# Altium PCB foxbms2-master.PcbDoc (part 3 of 11)
Units mil, origin at the board's own origin, x right, y up, seen from the top; angles counter-clockwise.
Board outline 7874.02 x 4724.41 mil, 8 copper layers (Top, Int1 (Sig), Int2 (Gnd), Int3 (Sig), Int4 (Sig), Int5 (Pwr), Int6 (Sig), Bottom), stack 64.41 mil thick; 912 components, 680 nets, 3159 pads, 2871 vias.
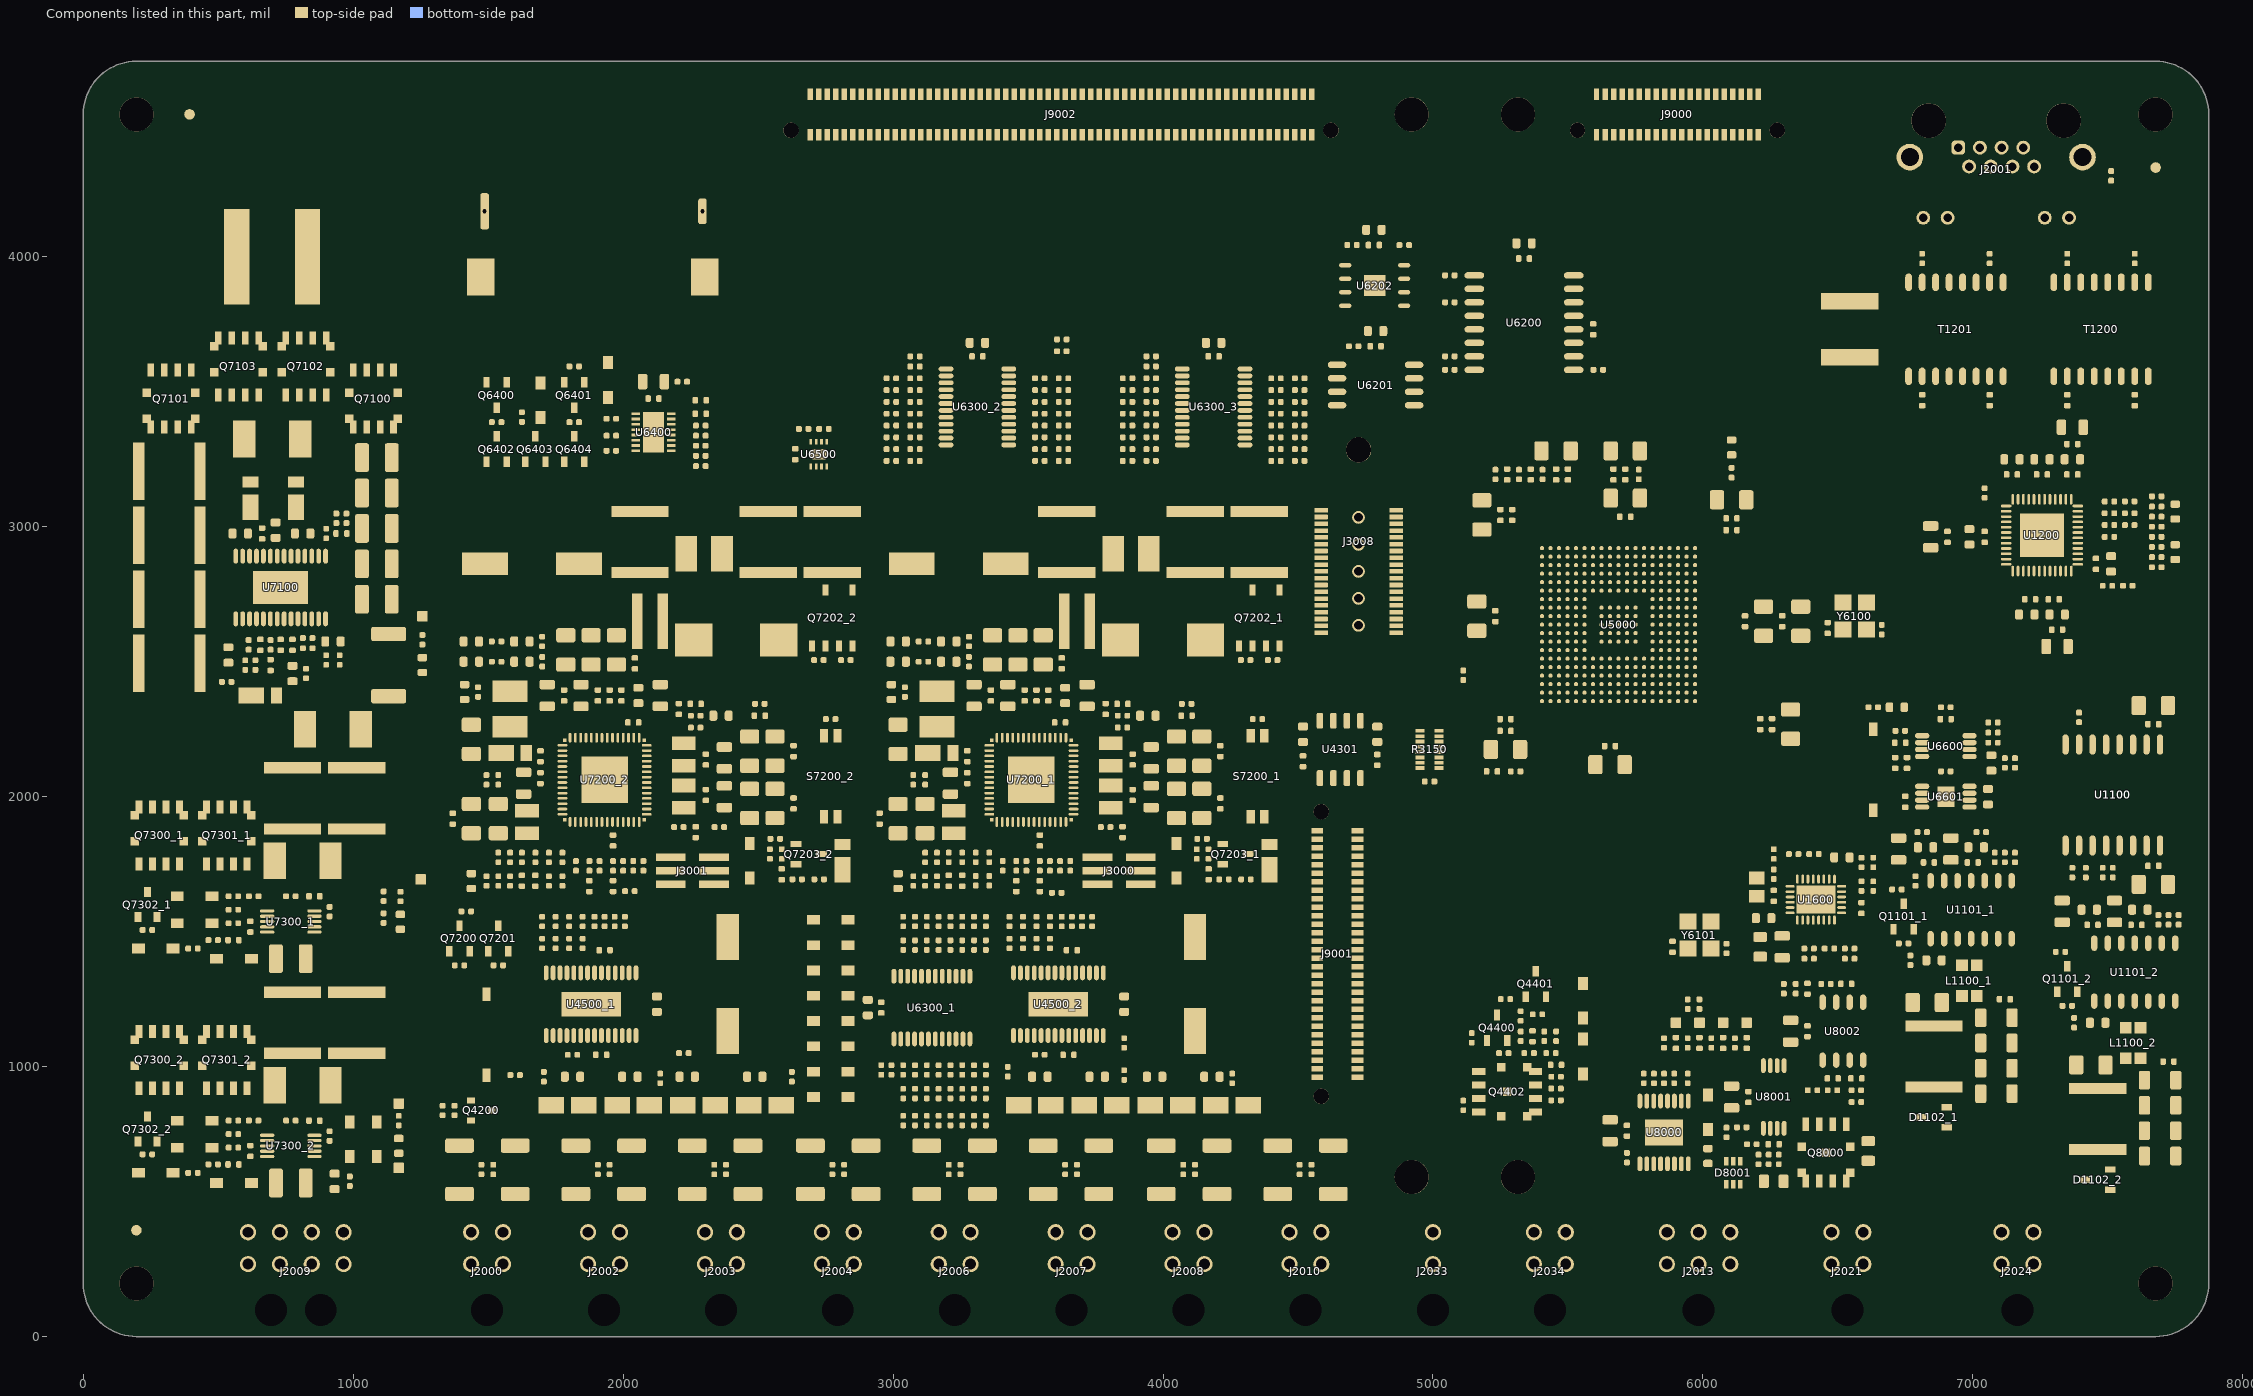
[diagram p9: the components of this part, seen from the top]

## Components (designator, comment, footprint, x,y, rotation, side; value= is the part's Value field where it differs from the comment) (continued)
R8012 "2k49" RESC1005X04N 5818.75,956.25 r90 top
R8013 "3k9" RESC1005X04N 6181.25,712.5 r0 top
R8014 "10R" RESC1005X04N 6243.75,656.25 r270 top locked
R8015 "10k" RESC1005X04N 6118.75,1087.5 r270 top locked
R8016 "2R" RESC2012X05N 6262.5,575 r0 top locked
R8017 "10R" RESC1005X04N 6281.25,656.25 r270 top
R8018 "1k" RESC1005X04N 6406.25,912.5 r180 top
R8019 "22k1" RESC1005X04N 6568.75,868.75 r180 top locked
R8020 "10k" RESC1005X04N 6456.25,1306.25 r0 top locked
R8021 "240k" RESC1005X04N 6480.22,912.5 r180 top
R8022 "2k49" RESC1005X04N 6568.75,912.5 r180 top
R8023 "10R" RESC2012X05N 6612.5,687.5 r270 top
R8024 "10k" RESC1005X04N 6300,1288.53 r90 top locked
R8025 "330R" RESC1005X04N 6343.75,1288.53 r90 top
R8026 "0R" RESC1005X04N 5987.5,1231.25 r270 top
R8027 "0R" RESC1005X04N 5943.75,1231.25 r270 top
S4500 "WS-DISV" WE_416131160801 1493.75,1118.75 r0 top
S6600 "WS-DISV" WE_416131160801 6631.25,2100 r0 top locked
S7200_1 "WS-DISV" WE_416131160802 4350,2075 r0 top locked (schematic designator S7200)
S7200_2 "WS-DISV" WE_416131160802 2768.75,2075 r0 top locked (schematic designator S7200)
T1200 "SM91074ALE" SM91074ALE 7475,3731.25 r90 top
T1201 "SM91074ALE" SM91074ALE 6937.5,3731.25 r90 top
TP8000 "Testpoint_Square" Testpoint_S1 5987.5,1162.5 r90 top
TP8001 "Testpoint_Square" Testpoint_S1 5900,1162.5 r90 top
TP8002 "Testpoint_Square" Testpoint_S1 6075,1162.5 r90 top
TP8003 "Testpoint_Square" Testpoint_S1 6162.5,1162.5 r90 top
TP_GND "Testpoint_Square" Testpoint_S1 1168.75,625 r90 top
TP_VBB_12V "Testpoint_Square" Testpoint_S1 1256.25,2668.75 r180 top
TP_VSUP_30 "Testpoint_Square" Testpoint_S1 1168.75,862.5 r180 top
TP_VSUP_30C "Testpoint_Square" Testpoint_S1 1250,1693.75 r180 top
U1100 "ADUM6401CRIZ" ADI_RI-16-2 7518.75,2006.25 r270 top
U1100 "ISOW7841AQDWEQ1" TI_DWE0016A 7518.75,2006.25 r270 top
U1101_1 "TCAN1043HDQ1" TI_D0014A-C01_SOIC-14 6993.75,1581.25 r270 top (schematic designator U1101)
U1101_2 "TCAN1043HDQ1" TI_D0014A-C01_SOIC-14 7600,1350 r270 top (schematic designator U1101)
U1200 "DP83869HMRGZT" DP83869HM-RGZ 7256.25,2968.75 r270 top
U1600 "LTC2870HUFD" LTC2870-UFD 6418.75,1618.75 r270 top locked
U4301 "ADR4550BRZ" SOIC127P600X175-8N 4656.25,2175 r270 top
U4500_1 "MC33XS2410EL" MC33XS2410EL 1881.25,1231.25 r90 top (schematic designator U4500)
U4500_2 "MC33XS2410EL" MC33XS2410EL 3612.5,1231.25 r90 top (schematic designator U4500)
U5000 "TMS5704357BZWTQQ1" BGA337C80P19X19_1600X1600X140 5687.5,2637.5 r180 top
U6200 "S25FL512SDSMFM010" S25FL512S-SO3016 5337.5,3756.25 r0 top
U6201 "CY15B102QN-50SXE" CY15B102QN-50SXE 4787.5,3525 r0 top
U6202 "MR25H40BMDF" MR25H40 4784.25,3893.75 r270 top
U6300_1 "PCA9539PW" PCA9539PW 3143.75,1218.75 r90 top (schematic designator U6300)
U6300_2 "PCA9539PW" PCA9539PW 3312.5,3443.75 r0 top (schematic designator U6300)
U6300_3 "PCA9539PW" PCA9539PW 4187.5,3443.75 r0 top (schematic designator U6300)
U6400 "PCF2131TF" NXP_SOT1992-1 2112.5,3350 r0 top
U6500 "SHT35-DIS-F" SHT3X 2725,3268.75 r270 top
U6600 "MAX16998DAUA/V+" MAX16998-uSOP8 6900,2187.5 r0 top
U6601 "TPS7A1650AQDGNRQ1" TPS7A16A-Q1 6900,2000 r180 top locked
U7100 "LM5176QPWPRQ1" LM5176-PWP 731.25,2775 r90 top
U7200_1 "MC33FS8530A0ES" MC33FS8530A0ES 3512.5,2062.5 r0 top (schematic designator U7200)
U7200_2 "MC33FS8530A0ES" MC33FS8530A0ES 1931.25,2062.5 r0 top (schematic designator U7200)
U7300_1 "LTC4380HMS-4#PBF" LTC4380-MSOP10 768.75,1537.5 r180 top (schematic designator U7300)
U7300_2 "LTC4380HMS-4#PBF" LTC4380-MSOP10 768.75,706.25 r180 top (schematic designator U7300)
U8000 "TPS2H000BQPWPRQ1" TI_PWP0016J 5856.25,756.25 r270 top
U8001 "INA240A1QPWRQ1" TI_PW0008A 6262.5,887.5 r90 top
U8002 "LM2903QDRQ1" TI_D0008A 6518.75,1131.25 r90 top
Y6100 "SiT8924BAT31-33N-20.000000" SiT8924xx-3x 6562.5,2668.75 r90 top locked
Y6101 "SiT8924BAT31-33N-25.000000" SiT8924xx-3x 5987.5,1487.5 r90 top locked

## Footprints (in the part's own frame and the unit in brackets; to place one, negate y for a bottom-side part, rotate by r counter-clockwise, add the part's x,y. Pads: shape width x height; smd on the part's side, far side on the other; paste and mask are expansions set on the pad)
ADI_RI-16-2 [mm] "SOIC, 16-Leads, Body 12,80x7,50mm, Pitch 1,27mm, IPC Medium Density"
  oval 1.9x0.6 smd: 1(-4.75,4.445) 2(-4.75,3.175) 3(-4.75,1.905) 4(-4.75,0.635) 5(-4.75,-0.635) 6(-4.75,-1.905) 7(-4.75,-3.175) 8(-4.75,-4.445) 9(4.75,-4.445) 10(4.75,-3.175) 11(4.75,-1.905) 12(4.75,-0.635) 13(4.75,0.635) 14(4.75,1.905) 15(4.75,3.175) 16(4.75,4.445)
  silkscreen extent -4.87,-6.5 3.4,5.42, body extent -5.16,-6.5 5.16,6.5, height 2.65
ASPIAIG-S4035 [mm] "Precision Wire Wound Inductor, 2-Leads, Body 4,00x4,00mm, IPC Medium Density"
  rect 2.05x3.3 smd: 1(-1.675,0) 2(1.675,0)
  silkscreen extent -2.1,-2.1 2.1,2.1, body extent -2.1,-2 2.1,2, height 3.8
BGA337C80P19X19_1600X1600X140 [mm] "BGA, 337-Leads, Body 16,00x16,00mmx1,40mm, Pitch 0,80mm"
  round 0.4 smd paste+0 mask+0.05: A1(-7.2,7.2) A2(-6.4,7.2) A3(-5.6,7.2) A4(-4.8,7.2) A5(-4,7.2) A6(-3.2,7.2) A7(-2.4,7.2) A8(-1.6,7.2) A9(-0.8,7.2) A10(0,7.2) A11(0.8,7.2) A12(1.6,7.2) A13(2.4,7.2) A14(3.2,7.2) A15(4,7.2) A16(4.8,7.2) A17(5.6,7.2) A18(6.4,7.2) A19(7.2,7.2) B1(-7.2,6.4) B2(-6.4,6.4) B3(-5.6,6.4) B4(-4.8,6.4) B5(-4,6.4) B6(-3.2,6.4) B7(-2.4,6.4) B8(-1.6,6.4) B9(-0.8,6.4) B10(0,6.4) B11(0.8,6.4) B12(1.6,6.4) B13(2.4,6.4) B14(3.2,6.4) B15(4,6.4) B16(4.8,6.4) B17(5.6,6.4) B18(6.4,6.4) B19(7.2,6.4) C1(-7.2,5.6) C2(-6.4,5.6) C3(-5.6,5.6) C4(-4.8,5.6) C5(-4,5.6) C6(-3.2,5.6) C7(-2.4,5.6) C8(-1.6,5.6) C9(-0.8,5.6) C10(0,5.6) C11(0.8,5.6) C12(1.6,5.6) C13(2.4,5.6) C14(3.2,5.6) C15(4,5.6) C16(4.8,5.6) C17(5.6,5.6) C18(6.4,5.6) C19(7.2,5.6) D1(-7.2,4.8) D2(-6.4,4.8) D3(-5.6,4.8) D4(-4.8,4.8) D5(-4,4.8) D6(-3.2,4.8) D7(-2.4,4.8) D8(-1.6,4.8) D9(-0.8,4.8) D10(0,4.8) D11(0.8,4.8) D12(1.6,4.8) D13(2.4,4.8) D14(3.2,4.8) D15(4,4.8) D16(4.8,4.8) D17(5.6,4.8) D18(6.4,4.8) D19(7.2,4.8) E1(-7.2,4) E2(-6.4,4) E3(-5.6,4) E4(-4.8,4) E5(-4,4) E6(-3.2,4) E7(-2.4,4) E8(-1.6,4) E9(-0.8,4) E10(0,4) E11(0.8,4) E12(1.6,4) E13(2.4,4) E14(3.2,4) E15(4,4) E16(4.8,4) E17(5.6,4) E18(6.4,4) E19(7.2,4) F1(-7.2,3.2) F2(-6.4,3.2) F3(-5.6,3.2) F4(-4.8,3.2) F5(-4,3.2) F6(-3.2,3.2) F7(-2.4,3.2) F8(-1.6,3.2) F9(-0.8,3.2) F10(0,3.2) F11(0.8,3.2) F12(1.6,3.2) F13(2.4,3.2) F14(3.2,3.2) F15(4,3.2) F16(4.8,3.2) F17(5.6,3.2) F18(6.4,3.2) F19(7.2,3.2) G1(-7.2,2.4) G2(-6.4,2.4) G3(-5.6,2.4) G4(-4.8,2.4) G5(-4,2.4) G6(-3.2,2.4) G14(3.2,2.4) G15(4,2.4) G16(4.8,2.4) G17(5.6,2.4) G18(6.4,2.4) G19(7.2,2.4) H1(-7.2,1.6) H2(-6.4,1.6) H3(-5.6,1.6) H4(-4.8,1.6) H5(-4,1.6) H6(-3.2,1.6) H8(-1.6,1.6) H9(-0.8,1.6) H10(0,1.6) H11(0.8,1.6) H12(1.6,1.6) H14(3.2,1.6) H15(4,1.6) H16(4.8,1.6) H17(5.6,1.6) H18(6.4,1.6) H19(7.2,1.6) J1(-7.2,0.8) J2(-6.4,0.8) J3(-5.6,0.8) J4(-4.8,0.8) J5(-4,0.8) J6(-3.2,0.8) J8(-1.6,0.8) J9(-0.8,0.8) J10(0,0.8) J11(0.8,0.8) J12(1.6,0.8) J14(3.2,0.8) J15(4,0.8) J16(4.8,0.8) J17(5.6,0.8) J18(6.4,0.8) J19(7.2,0.8) K1(-7.2,0) K2(-6.4,0) K3(-5.6,0) K4(-4.8,0) K5(-4,0) K6(-3.2,0) K8(-1.6,0) K9(-0.8,0) K10(0,0) K11(0.8,0) K12(1.6,0) K14(3.2,0) K15(4,0) K16(4.8,0) K17(5.6,0) K18(6.4,0) K19(7.2,0) L1(-7.2,-0.8) L2(-6.4,-0.8) L3(-5.6,-0.8) L4(-4.8,-0.8) L5(-4,-0.8) L6(-3.2,-0.8) L8(-1.6,-0.8) L9(-0.8,-0.8) L10(0,-0.8) L11(0.8,-0.8) L12(1.6,-0.8) L14(3.2,-0.8) L15(4,-0.8) L16(4.8,-0.8) L17(5.6,-0.8) L18(6.4,-0.8) L19(7.2,-0.8) M1(-7.2,-1.6) M2(-6.4,-1.6) M3(-5.6,-1.6) M4(-4.8,-1.6) M5(-4,-1.6) M6(-3.2,-1.6) M8(-1.6,-1.6) M9(-0.8,-1.6) M10(0,-1.6) M11(0.8,-1.6) M12(1.6,-1.6) M14(3.2,-1.6) M15(4,-1.6) M16(4.8,-1.6) M17(5.6,-1.6) M18(6.4,-1.6) M19(7.2,-1.6) N1(-7.2,-2.4) N2(-6.4,-2.4) N3(-5.6,-2.4) N4(-4.8,-2.4) N5(-4,-2.4) N6(-3.2,-2.4) N14(3.2,-2.4) N15(4,-2.4) N16(4.8,-2.4) N17(5.6,-2.4) N18(6.4,-2.4) N19(7.2,-2.4) P1(-7.2,-3.2) P2(-6.4,-3.2) P3(-5.6,-3.2) P4(-4.8,-3.2) P5(-4,-3.2) P6(-3.2,-3.2) P7(-2.4,-3.2) P8(-1.6,-3.2) P9(-0.8,-3.2) P10(0,-3.2) P11(0.8,-3.2) P12(1.6,-3.2) P13(2.4,-3.2) P14(3.2,-3.2) P15(4,-3.2) P16(4.8,-3.2) P17(5.6,-3.2) P18(6.4,-3.2) P19(7.2,-3.2) R1(-7.2,-4) R2(-6.4,-4) R3(-5.6,-4) R4(-4.8,-4) R5(-4,-4) R6(-3.2,-4) R7(-2.4,-4) R8(-1.6,-4) R9(-0.8,-4) R10(0,-4) R11(0.8,-4) R12(1.6,-4) R13(2.4,-4) R14(3.2,-4) R15(4,-4) R16(4.8,-4) R17(5.6,-4) R18(6.4,-4) R19(7.2,-4) T1(-7.2,-4.8) T2(-6.4,-4.8) T3(-5.6,-4.8) T4(-4.8,-4.8) T5(-4,-4.8) T6(-3.2,-4.8) T7(-2.4,-4.8) T8(-1.6,-4.8) T9(-0.8,-4.8) T10(0,-4.8) T11(0.8,-4.8) T12(1.6,-4.8) T13(2.4,-4.8) T14(3.2,-4.8) T15(4,-4.8) T16(4.8,-4.8) T17(5.6,-4.8) T18(6.4,-4.8) T19(7.2,-4.8) U1(-7.2,-5.6) U2(-6.4,-5.6) U3(-5.6,-5.6) U4(-4.8,-5.6) U5(-4,-5.6) U6(-3.2,-5.6) U7(-2.4,-5.6) U8(-1.6,-5.6) U9(-0.8,-5.6) U10(0,-5.6) U11(0.8,-5.6) U12(1.6,-5.6) U13(2.4,-5.6) U14(3.2,-5.6) U15(4,-5.6) U16(4.8,-5.6) U17(5.6,-5.6) U18(6.4,-5.6) U19(7.2,-5.6) V1(-7.2,-6.4) V2(-6.4,-6.4) V3(-5.6,-6.4) V4(-4.8,-6.4) V5(-4,-6.4) V6(-3.2,-6.4) V7(-2.4,-6.4) V8(-1.6,-6.4) V9(-0.8,-6.4) V10(0,-6.4) V11(0.8,-6.4) V12(1.6,-6.4) V13(2.4,-6.4) V14(3.2,-6.4) V15(4,-6.4) V16(4.8,-6.4) V17(5.6,-6.4) V18(6.4,-6.4) V19(7.2,-6.4) W1(-7.2,-7.2) W2(-6.4,-7.2) W3(-5.6,-7.2) W4(-4.8,-7.2) W5(-4,-7.2) W6(-3.2,-7.2) W7(-2.4,-7.2) W8(-1.6,-7.2) W9(-0.8,-7.2) W10(0,-7.2) W11(0.8,-7.2) W12(1.6,-7.2) W13(2.4,-7.2) W14(3.2,-7.2) W15(4,-7.2) W16(4.8,-7.2) W17(5.6,-7.2) W18(6.4,-7.2) W19(7.2,-7.2)
  silkscreen extent -8.78,-8 8,8, body extent -8,-8 8,8, height 1.4
BOURNS_DO-214AC_SMA [mm] "Molded Diode, 2-Leads, Body 4,25x2,67mm, IPC Medium Density"
  rect 2.4x1.55 smd: 1(-1.525,0) 2(1.525,0)
  silkscreen extent -3.02,-1.4 2.25,1.45, body extent -2.47,-1.4 2.47,1.4, height 2.29
BR2477A-HBN [mm]
  rrect50% 0.8x3.4 hole 0.4 slot 3 at 90 deg: +(12.4,0)
  rrect50% 0.8x2.4 hole 0.4 slot 2 at 90 deg: -(-8.1,0)
  body extent -12.25,-12.25 12.25,12.25, height 7.7
CAPC1005X06N [mm] "Chip Capacitor, 2-Leads, Body 1,00x0,50mm, IPC Medium Density"
  rrect50% 0.52x0.62 smd: 1(-0.51,0) 2(0.51,0)
  body extent -0.53,-0.28 0.53,0.28, height 0.55
CAPC1608X08N [mm] "Chip Capacitor, 2-Leads, Body 1,60x0,80mm, IPC Medium Density"
  rrect50% 0.75x0.95 smd: 1(-0.725,0) 2(0.725,0)
  body extent -0.85,-0.45 0.85,0.45, height 0.8
CAPC2012X14N [mm] "Chip Capacitor, 2-Leads, Body 2,00x1,25mm, IPC Medium Density"
  rrect40% 0.9x1.45 smd: 1(-1.025,0) 2(1.025,0)
  silkscreen extent -0.2,-0.63 0.2,0.63, body extent -1.1,-0.72 1.1,0.72, height 1.45
CAPC2220(5750)230_N [mm] "Chip Capacitor, Body 5.7x5.0mm, Height 2.3mm, IPC Medium Density"
  rect 1.55x5.4 smd: 1(-2.625,0) 2(2.625,0)
  body extent -3.05,-2.7 3.05,2.7, height 2.3
CAPC3216X18N [mm] "Chip Capacitor, 2-Leads, Body 3,20x1,60mm, IPC Medium Density"
  rrect30% 1.35x1.8 smd: 1(-1.375,0) 2(1.375,0)
  silkscreen extent -0.3,-0.8 0.3,0.8, body extent -1.7,-0.9 1.7,0.9, height 1.8
CAPC3225X25N [mm] "Chip Capacitor, 2-Leads, Body 3,20x2,50mm, IPC Medium Density"
  rrect30% 1.3x2.7 smd: 1(-1.4,0) 2(1.4,0)
  silkscreen extent -0.35,-1.25 0.35,1.25, body extent -1.7,-1.35 1.7,1.35, height 2.5
CAPC5750X28N [mm] "Chip Capacitor, 2-Leads, Body 5,70x5,00mm, IPC Medium Density"
  rect 1.05x5.4 smd: 1(-2.875,0) 2(2.875,0)
  silkscreen extent -1.95,-2.6 1.95,2.6, body extent -3.05,-2.7 3.05,2.7, height 2.8
COILCRAFT_XAL1010 [mm] "Precision Wire Wound Inductor, 2-Leads, Body 10,00x11,30mm, IPC Medium Density"
  rect 2.38x9 smd: 1(-3.325,0) 2(3.325,0)
  silkscreen extent -5.25,-5.9 5.25,5.9, body extent -5.25,-5.9 5.25,5.9, height 10
CY15B102QN-50SXE [mm] "SOIC, 8-Leads, Body 5,23x5,23mm, Pitch 1,27mm, IPC Medium Density"
  oval 1.75x0.6 smd: 1(-3.625,1.905) 2(-3.625,0.635) 3(-3.625,-0.635) 4(-3.625,-1.905) 5(3.625,-1.905) 6(3.625,-0.635) 7(3.625,0.635) 8(3.625,1.905)
  silkscreen extent -3.75,-2.65 2.35,2.88, body extent -4,-2.65 4,2.65, height 2.03
DIODES_SOT23_NPN [mm] "SOT23, 3-Leads, Body 2,90x2,40mm, Pitch 0,90mm, IPC Medium Density"
  rect 0.95x0.65 smd: B(-1.175,0.9) C(1.175,0) E(-1.175,-0.9)
  silkscreen extent -1.3,-1.5 0.7,1.9, body extent -1.25,-1.5 1.25,1.5, height 1.1
DP83869HM-RGZ [mm] "QFN, 48-Leads, Body 7,00x7,00mm, Pitch 0,50mm, Thermal Pad 4,10x4,10mm, IPC Medium Density"
  oval 1x0.25 smd: 1(-3.375,2.75) 2(-3.375,2.25) 3(-3.375,1.75) 4(-3.375,1.25) 5(-3.375,0.75) 6(-3.375,0.25) 7(-3.375,-0.25) 8(-3.375,-0.75) 9(-3.375,-1.25) 10(-3.375,-1.75) 11(-3.375,-2.25) 12(-3.375,-2.75) 25(3.375,-2.75) 26(3.375,-2.25) 27(3.375,-1.75) 28(3.375,-1.25) 29(3.375,-0.75) 30(3.375,-0.25) 31(3.375,0.25) 32(3.375,0.75) 33(3.375,1.25) 34(3.375,1.75) 35(3.375,2.25) 36(3.375,2.75)
  oval 0.25x1 smd: 13(-2.75,-3.375) 14(-2.25,-3.375) 15(-1.75,-3.375) 16(-1.25,-3.375) 17(-0.75,-3.375) 18(-0.25,-3.375) 19(0.25,-3.375) 20(0.75,-3.375) 21(1.25,-3.375) 22(1.75,-3.375) 23(2.25,-3.375) 24(2.75,-3.375) 37(2.75,3.375) 38(2.25,3.375) 39(1.75,3.375) 40(1.25,3.375) 41(0.75,3.375) 42(0.25,3.375) 43(-0.25,3.375) 44(-0.75,3.375) 45(-1.25,3.375) 46(-1.75,3.375) 47(-2.25,3.375) 48(-2.75,3.375)
  rect 4.1x4.1 smd paste-10: 49(0,0)
  silkscreen extent -4.5,-3.73 3.73,3.72, body extent -3.58,-3.58 3.58,3.58, height 1
ELECTROLYTIC_CAP_PANASONIC_G [mm] "Aluminum Electrolytic Capacitor, Body 10,30x10,30x10,50mm, IPC Medium Density"
  rect 4.3x2.1 smd: 1(-4.425,0) 2(4.425,0)
  silkscreen extent -5.25,-5.25 5.25,5.25, body extent -5.85,-5.15 5.85,5.15, height 10.21
Fiducial_2 [mm] "Fiducial Round 1mm"
  round 1 smd paste-0.5 mask+0.5: 0(0,0)
  Top keep-out circle w0.2: c0,0 r0.9
Hole_WA-SMSI_M3 [mm] "Mounting hole for counterpart of Wuerth Hole_WA-SMSI M3 spacers"
  round 3.2 hole 3.2 unplated: Hole_WA-SMSI_M3(0,0)
  Keep-Out Layer circle w1.2: c0,0 r2.5
  silkscreen extent -3,-3 3,3
INDC2012X14N [mm] "Chip Inductor, 2-Leads, Body 2,00x1,25mm, IPC Medium Density"
  rect 1.19x1.47 smd: 1(-0.855,0) 2(0.855,0)
  body extent -1.1,-0.72 1.1,0.72, height 1.45
LEDC1608X07N [mm] "LED, 2-Leads, Body 1,60x0,80mm, IPC Medium Density"
  rrect50% 0.7x0.9 smd: 1(-0.7,0) 2(0.7,0)
  silkscreen extent -1.35,0.35 -1.25,0.45, body extent -0.8,-0.4 0.8,0.4, height 0.7
LF_SOT23-3 [mm] "SOT23, 3-Leads, Body 2,92x2,37mm, Pitch 0,95mm, IPC Medium Density"
  rect 1x0.6 smd: 1(-1.2,0.95) 2(-1.2,-0.95) 3(1.2,0)
  silkscreen extent -1.33,-1.5 0.7,1.92, body extent -1.32,-1.52 1.32,1.52, height 1.12
LM5176-PWP [mm] "HTSSOP, 28-Leads, Body 9,70x4,40mm, Pitch 0,65mm, Thermal Pad 5,18x3,10mm, IPC Medium Density"
  oval 1.4x0.45 smd: 1(-2.95,4.225) 2(-2.95,3.575) 3(-2.95,2.925) 4(-2.95,2.275) 5(-2.95,1.625) 6(-2.95,0.975) 7(-2.95,0.325) 8(-2.95,-0.325) 9(-2.95,-0.975) 10(-2.95,-1.625) 11(-2.95,-2.275) 12(-2.95,-2.925) 13(-2.95,-3.575) 14(-2.95,-4.225) 15(2.95,-4.225) 16(2.95,-3.575) 17(2.95,-2.925) 18(2.95,-2.275) 19(2.95,-1.625) 20(2.95,-0.975) 21(2.95,-0.325) 22(2.95,0.325) 23(2.95,0.975) 24(2.95,1.625) 25(2.95,2.275) 26(2.95,2.925) 27(2.95,3.575) 28(2.95,4.225)
  rect 3.1x5.18 smd mask-10: 29(0,0)
  silkscreen extent -3.07,-4.9 1.85,5.12, body extent -3.2,-4.9 3.2,4.9, height 1.2
LTC2870-UFD [mm] "QFN, 28-Leads, Body 4,00x5,00mm, Pitch 0,50mm, Thermal Pad 2,65x3,65mm, IPC Medium Density"
  oval 0.85x0.25 smd: 1(-1.925,1.75) 2(-1.925,1.25) 3(-1.925,0.75) 4(-1.925,0.25) 5(-1.925,-0.25) 6(-1.925,-0.75) 7(-1.925,-1.25) 8(-1.925,-1.75) 15(1.925,-1.75) 16(1.925,-1.25) 17(1.925,-0.75) 18(1.925,-0.25) 19(1.925,0.25) 20(1.925,0.75) 21(1.925,1.25) 22(1.925,1.75)
  oval 0.25x0.85 smd: 9(-1.25,-2.425) 10(-0.75,-2.425) 11(-0.25,-2.425) 12(0.25,-2.425) 13(0.75,-2.425) 14(1.25,-2.425) 23(1.25,2.425) 24(0.75,2.425) 25(0.25,2.425) 26(-0.25,2.425) 27(-0.75,2.425) 28(-1.25,2.425)
  rect 2.65x3.65 smd: 29(0,0)
  silkscreen extent -2.97,-2.7 2.2,2.7, body extent -2.05,-2.55 2.05,2.55, height 0.8
LTC4380-MSOP10 [mm] "TSSOP, 10-Leads, Body 3,00x3,00mm, Pitch 0,50mm, IPC Medium Density"
  oval 1.35x0.3 smd: 1(-2.225,1) 2(-2.225,0.5) 3(-2.225,0) 4(-2.225,-0.5) 5(-2.225,-1) 6(2.225,-1) 7(2.225,-0.5) 8(2.225,0) 9(2.225,0.5) 10(2.225,1)
  silkscreen extent -2.35,-1.55 1.15,1.82, body extent -2.45,-1.55 2.45,1.55, height 1.1
MAX16998-uSOP8 [mm] "uSOP, 8-Leads, Body 3,00x3,00mm, Pitch 0,65mm, IPC Medium Density"
  oval 1.35x0.5 smd: 1(-2.225,0.975) 2(-2.225,0.325) 3(-2.225,-0.325) 4(-2.225,-0.975) 5(2.225,-0.975) 6(2.225,-0.325) 7(2.225,0.325) 8(2.225,0.975)
  silkscreen extent -2.35,-1.55 1.15,1.9, body extent -2.45,-1.55 2.45,1.55, height 1.1
MC33FS8530A0ES [mm] "QFN, 56-Leads, Body 8,00x8,00mm, Pitch 0,50mm, Thermal Pad 4,39x4,39mm, IPC Medium Density"
  oval 0.925x0.25 smd: 1(-3.963,3.25) 2(-3.963,2.75) 3(-3.963,2.25) 4(-3.963,1.75) 5(-3.963,1.25) 6(-3.963,0.75) 7(-3.963,0.25) 8(-3.963,-0.25) 9(-3.963,-0.75) 10(-3.963,-1.25) 11(-3.963,-1.75) 12(-3.963,-2.25) 13(-3.963,-2.75) 14(-3.963,-3.25) 29(3.963,-3.25) 30(3.963,-2.75) 31(3.963,-2.25) 32(3.963,-1.75) 33(3.963,-1.25) 34(3.963,-0.75) 35(3.963,-0.25) 36(3.963,0.25) 37(3.963,0.75) 38(3.963,1.25) 39(3.963,1.75) 40(3.963,2.25) 41(3.963,2.75) 42(3.963,3.25)
  oval 0.25x0.925 smd: 15(-3.25,-3.963) 16(-2.75,-3.963) 17(-2.25,-3.963) 18(-1.75,-3.963) 19(-1.25,-3.963) 20(-0.75,-3.963) 21(-0.25,-3.963) 22(0.25,-3.963) 23(0.75,-3.963) 24(1.25,-3.963) 25(1.75,-3.963) 26(2.25,-3.963) 27(2.75,-3.963) 28(3.25,-3.963) 43(3.25,3.963) 44(2.75,3.963) 45(2.25,3.963) 46(1.75,3.963) 47(1.25,3.963) 48(0.75,3.963) 49(0.25,3.963) 50(-0.25,3.963) 51(-0.75,3.963) 52(-1.25,3.963) 53(-1.75,3.963) 54(-2.25,3.963) 55(-2.75,3.963) 56(-3.25,3.963)
  rect 4.39x4.39 smd paste-10: 57(0,0)
  rect 0.33x0.33 smd: A(-3.738,3.738) B(-3.738,-3.738) C(3.738,-3.738) D(3.738,3.738)
  silkscreen extent -4.97,-4.2 4.2,4.2, body extent -4.1,-4.1 4.1,4.1, height 1
MC33XS2410EL [mm] "TSOP, 28-Leads, Body 9,70x4,40mm, Pitch 0,65mm, Thermal Pad 5,60x2,30mm, IPC Medium Density"
  oval 1.4x0.45 smd: 1(-2.95,4.225) 2(-2.95,3.575) 3(-2.95,2.925) 4(-2.95,2.275) 5(-2.95,1.625) 6(-2.95,0.975) 7(-2.95,0.325) 8(-2.95,-0.325) 9(-2.95,-0.975) 10(-2.95,-1.625) 11(-2.95,-2.275) 12(-2.95,-2.925) 13(-2.95,-3.575) 14(-2.95,-4.225) 15(2.95,-4.225) 16(2.95,-3.575) 17(2.95,-2.925) 18(2.95,-2.275) 19(2.95,-1.625) 20(2.95,-0.975) 21(2.95,-0.325) 22(2.95,0.325) 23(2.95,0.975) 24(2.95,1.625) 25(2.95,2.275) 26(2.95,2.925) 27(2.95,3.575) 28(2.95,4.225)
  rect 2.3x5.6 smd: 29(0,0)
  silkscreen extent -3.07,-4.9 1.85,5.12, body extent -3.2,-4.9 3.2,4.9, height 1.1
MOLEX_MICROFIT_01x2_THT [mil] "Micro-Fit 3.0 Right Angle Header, 3.00mm Pitch, Dual Row, 2 Circuits, with Snap-in Plastic Peg PCB Lock, Tin, Glow Wire Capable, Black, 43045-0200"
  round 60 hole 40: 1(0,-170) 2(0,-287.99)
  round 39.37 hole 117.99 unplated paste+0 mask+4: ""(0,0)
  silkscreen extent -137,-209 137,85, body extent -141,-301 141,181, height 345
MOLEX_MICROFIT_02x2_THT [mil] "Micro-Fit 3.0 Right Angle Header, 3.00mm Pitch, Dual Row, 4 Circuits, with Snap-in Plastic Peg PCB Lock, Tin, Glow Wire Capable, Black, 43045-0400"
  round 60 hole 40: 1(-59.02,-170) 2(59.02,-170) 3(-59.02,-287.99) 4(59.02,-287.99)
  round 39.37 hole 117.99 unplated paste+0 mask+4: ""(0,0)
  silkscreen extent -200,-209 200,85, body extent -200,-301 200,181, height 345
MOLEX_MICROFIT_03x2_THT [mil] "Micro-Fit 3.0 Right Angle Header, 3.00mm Pitch, Dual Row, 6 Circuits, with Snap-in Plastic Peg PCB Lock, Tin, Glow Wire Capable, Black, 43045-0600"
  round 60 hole 40: 1(-117.48,-170) 2(0,-170) 3(117.48,-170) 4(-117.48,-287.99) 5(0,-287.99) 6(117.48,-287.99)
  round 39.37 hole 117.99 unplated paste+0 mask+4: ""(0,0)
  silkscreen extent -256,-209 255,85, body extent -259,-301 259,181, height 345
MOLEX_MICROFIT_04x2_THT [mil] "Micro-Fit 3.0 Right Angle Header, 3.00mm Pitch, Dual Row, 8 Circuits, with Snap-in Plastic Peg PCB Lock, Tin, Glow Wire Capable, Black, 43045-0800"
  round 60 hole 40: 1(-177.01,-170) 2(-59.02,-170) 3(59.02,-170) 4(177.01,-170) 5(-177.01,-287.99) 6(-59.02,-287.99) 7(59.02,-287.99) 8(177.01,-287.99)
  round 39.37 hole 117.99 unplated paste+0 mask+4: ""(-92.52,0) ""(92.52,0)
  silkscreen extent -315,-209 317,85, body extent -318,-301 318,181, height 345
MR25H40 [mm] "QFN, 8-Leads, Body 5,00x6,00mm, Pitch 1,27mm, Thermal Pad 2,00x2,00mm, IPC Medium Density"
  oval 0.4x1.15 smd: 1(-1.905,-2.775) 2(-0.635,-2.775) 3(0.635,-2.775) 4(1.905,-2.775) 5(1.905,2.775) 6(0.635,2.775) 7(-0.635,2.775) 8(-1.905,2.775)
  rect 2x2 smd: 9(0,0)
  silkscreen extent -3.14,-3.6 2.7,3.2, body extent -2.55,-3.05 2.55,3.05, height 0.9
MURATA_DLW32SH [mm] "SON, 4-Leads, Body 2,50x3,20mm, Pitch 1,40mm, IPC Medium Density"
  rect 1.1x1.1 smd: 1(-1.445,0.7) 2(1.445,0.7) 3(1.445,-0.7) 4(-1.445,-0.7)
  silkscreen extent -2.26,1.41 -2.16,1.51, body extent -1.75,-1.35 1.75,1.35, height 2.5
NXP-SOT1205_N [mm] "DPAK, 8-Leads, Body 5.3x4.7mm, Pitch 1.27mm, IPC Medium Density"
  rect 1.05x0.55 smd: 1(-2.65,1.905) 2(-2.65,0.635) 3(-2.65,-0.635) 4(-2.65,-1.905) 5(2.625,-1.905) 7(2.625,0.635)
  Top region: -1.85,0.36 3.15,0.36 3.15,2.225 -1.85,2.225
  Top region: -1.85,-2.225 3.15,-2.225 3.15,-0.36 -1.85,-0.36
  silkscreen extent -2.77,2.6 -2.53,2.85, body extent -1.95,-2.65 2.75,2.65, height 1.05
NXP_SOT1992-1 [mm] "SON, 16-Leads, Body 4,50x3,50mm, Pitch 0,50mm, Thermal Pad 3,80x2,00mm, IPC Medium Density"
  rect 0.8x0.25 smd: 1(-1.69,1.75) 2(-1.69,1.25) 3(-1.69,0.75) 4(-1.69,0.25) 5(-1.69,-0.25) 6(-1.69,-0.75) 7(-1.69,-1.25) 8(-1.69,-1.75) 9(1.69,-1.75) 10(1.69,-1.25) 11(1.69,-0.75) 12(1.69,-0.25) 13(1.69,0.25) 14(1.69,0.75) 15(1.69,1.25) 16(1.69,1.75)